# Allegro board fscvmotherboardv2.brd
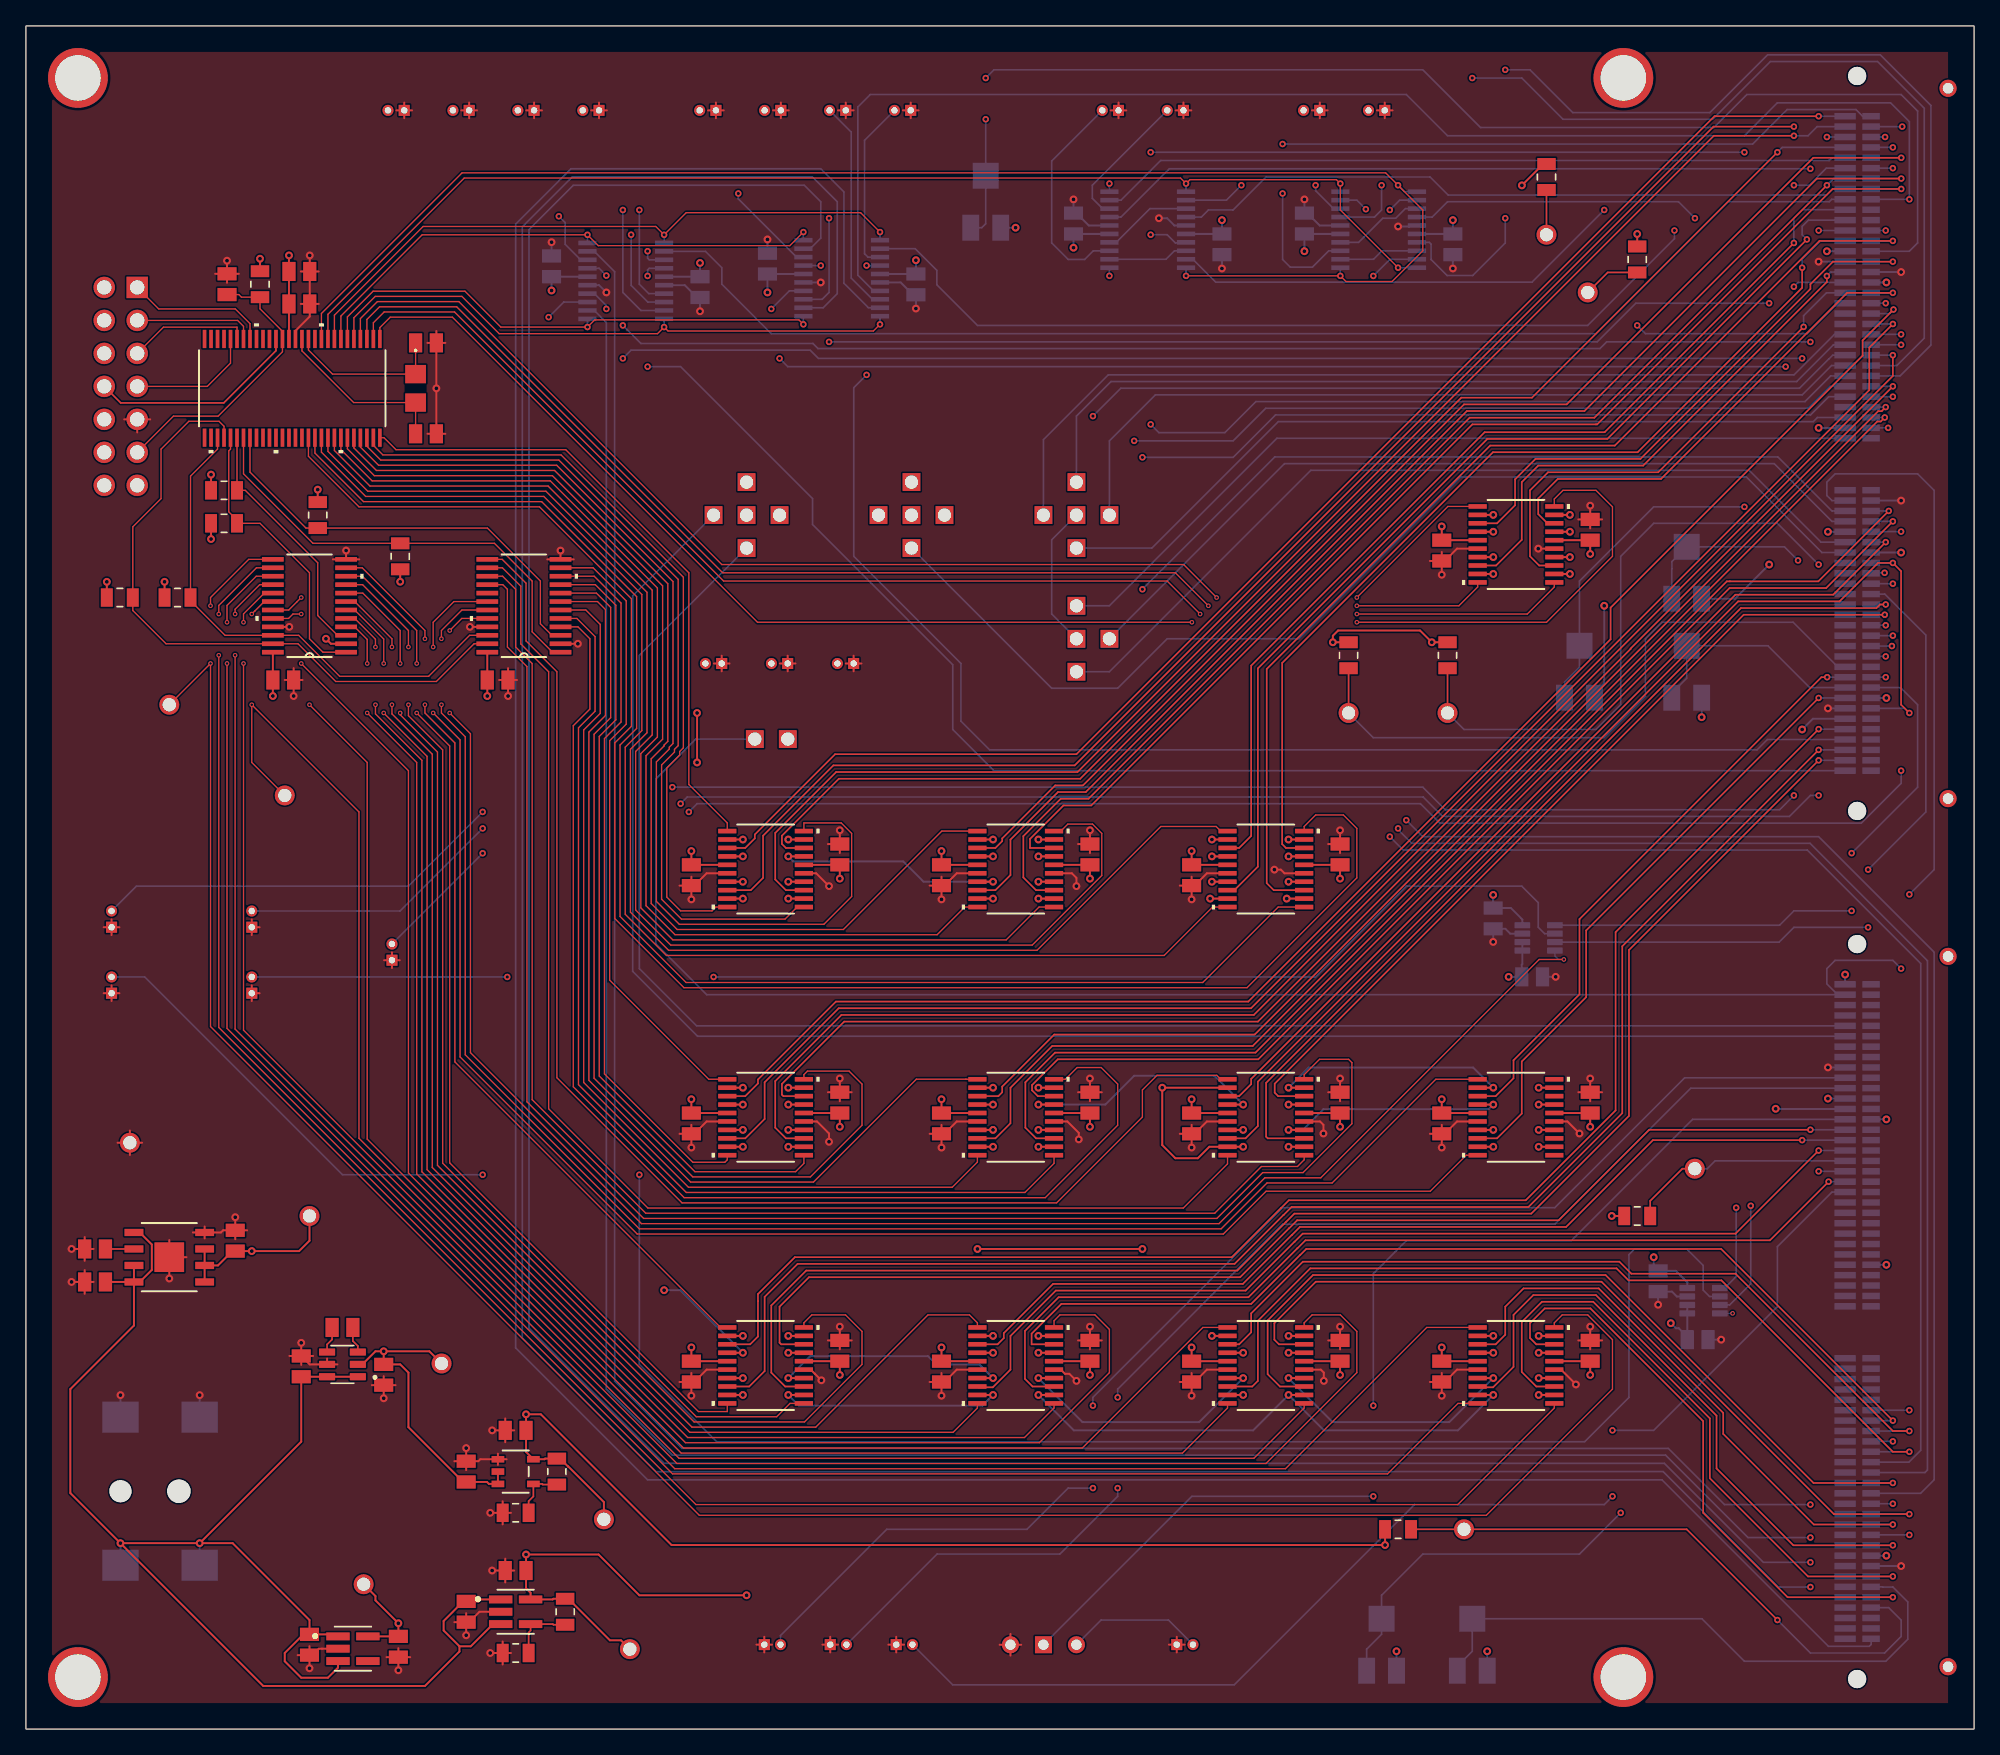
[diagram p0: board, top side]
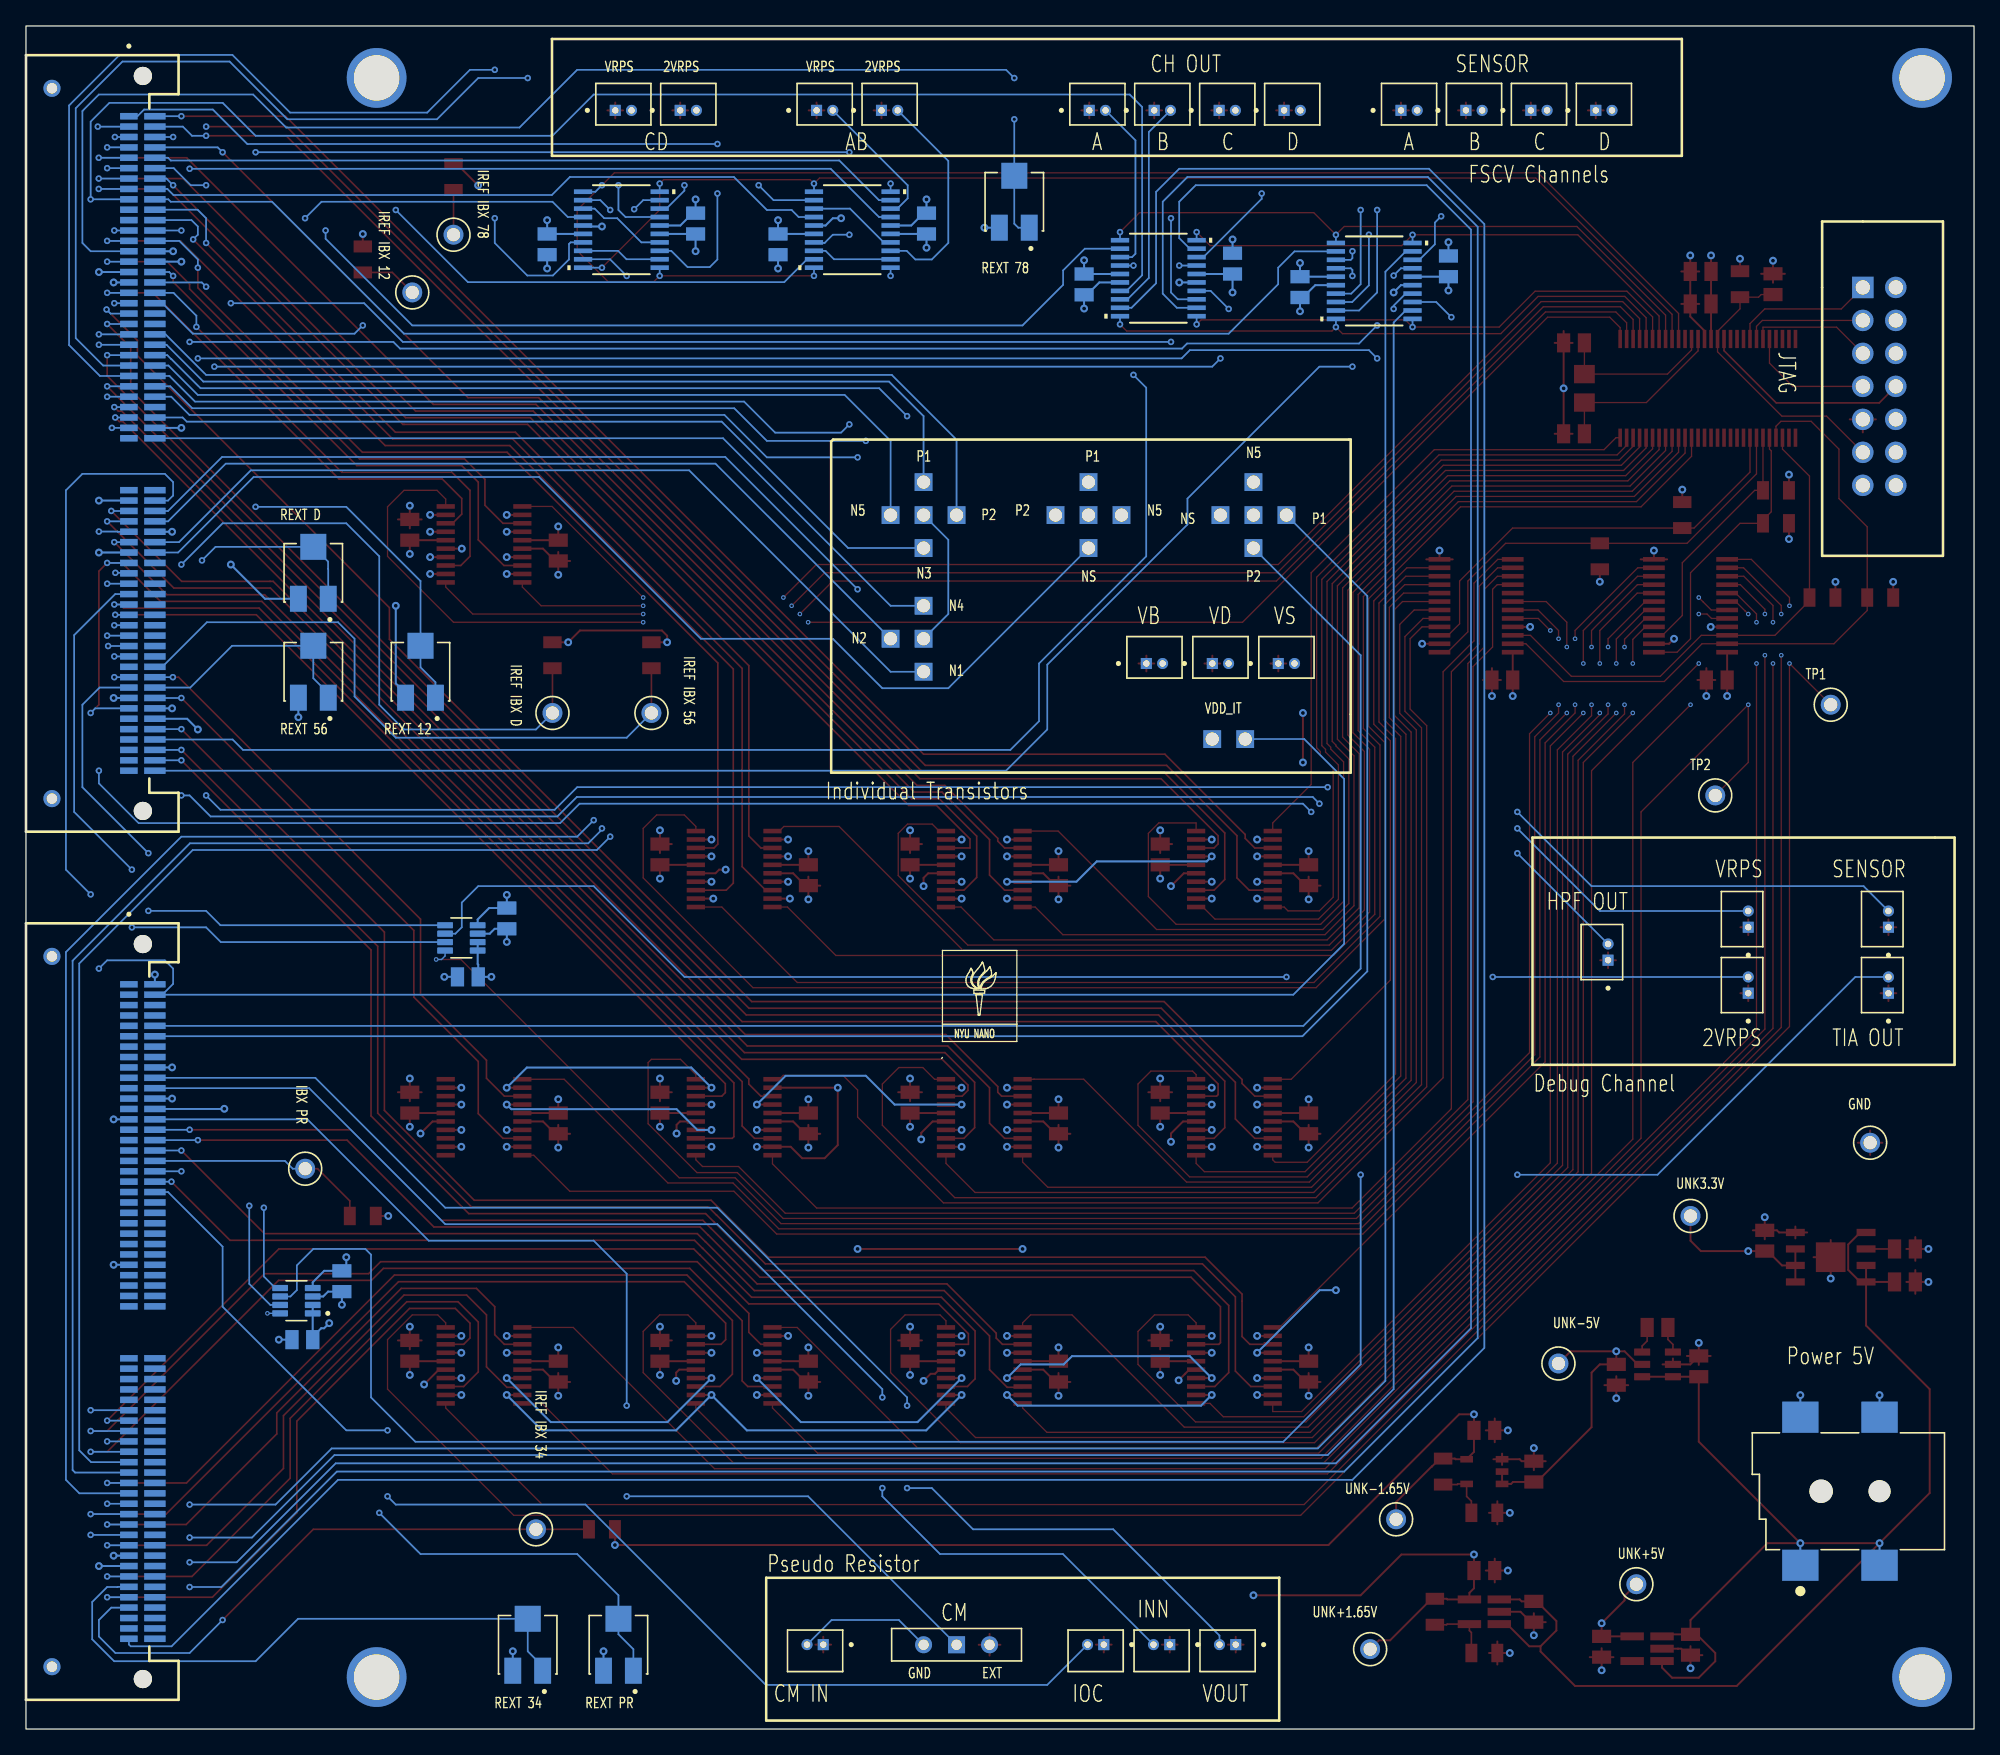
[diagram p1: board, bottom side, seen from below]

Outline 150 x 131.15 mm; copper layers: TOP, POWER, GND, BOTTOM. Coordinates in mm from the lower left corner of the outline.
Outline path: rectangle 0,0 150,131.15

## Design rules (mm)
constraint set DEFAULT: min track width 0.127
net group IB_SEL_HP_DNA: nets IB_SEL_HP_DNA<0> IB_SEL_HP_DNA<1>
net group IB_SEL_LP_DNA: nets IB_SEL_LP_DNA<0> IB_SEL_LP_DNA<1>
net group SELECT LINES: nets CH_AB_COND_SEL CH_CD_COND_SEL
net group TIASW_DNA: nets TIASW_DNA<0> TIASW_DNA<1>
net group DHP_DNA: nets DHP_DNA<0> DHP_DNA<1> DHP_DNA<2> DHP_DNA<3> DHP_DNA<4> DHP_DNA<5> DHP_DNA<6> DHP_DNA<7> DHP_DNA<8> DHP_DNA<9>
net group DLP_DNA: nets DLP_DNA<0> DLP_DNA<1> DLP_DNA<2> DLP_DNA<3> DLP_DNA<4> DLP_DNA<5> DLP_DNA<6> DLP_DNA<7> DLP_DNA<8> DLP_DNA<9>
net group FSCV: nets CH_OUTPUT_D TEST_EN_D TIA_EN_DNA
net group NOTUSED: nets DIFF_NFET_1_SHARED_VB DIFF_NFET_1_SHARED_VD DIFF_NFET_1_VSN DIFF_NFET_1_VSP DIFF_NFET_2_SHARED_VB DIFF_NFET_2_SHARED_VD DIFF_NFET_2_VSN DIFF_NFET_2_VSP DIFF_NFET_3_SHARED_VB DIFF_NFET_3_SHARED_VD DIFF_NFET_3_VSN DIFF_NFET_3_VSP DIFF_PFET_SHARED_VB DIFF_PFET_SHARED_VD DIFF_PFET_VSN DIFF_PFET_VSP HP1O_DNA HP2O_DNA IA_EN_DNA IBX_IN_DIFF_DNA IBX_OPA_DNA IBX_PR_HP_DNA IBX_PR_LP_DNA IREF_EN_DNA LPO_DNA NO_CONNEC_1 NO_CONNEC_2 NO_CONNEC_3 NO_CONNEC_4 NO_CONNEC_5 NO_CONNEC_6 NO_CONNEC_7 NO_CONNEC_8 NO_CONNEC_9 NO_CONNEC_10 NO_CONNEC_11 NO_CONNEC_12 NO_CONNEC_15 NO_CONNEC_16 NO_CONNEC_17 NO_CONNEC_18 NO_CONNEC_19 NO_CONNEC_20 NO_CONNEC_21 NO_CONNEC_22 NO_CONNEC_23 NO_CONNEC_24 NO_CONNEC_25 NO_CONNEC_26 NO_CONNEC_27 NO_CONNEC_28 NO_CONNEC_29 NO_CONNEC_30 NO_CONNEC_31 NO_CONNEC_32 NO_CONNEC_33 NO_CONNEC_34 NO_CONNEC_35 NO_CONNEC_36 NO_CONNEC_37 NO_CONNEC_38 REXT_IN_DIFF_DNA REXT_OPA_DNA SH_EN_DNA TIA_TST_DNA TSTEN_DNA VBGX_PR_HP_DNA VBGX_PR_LP_DNA VCM_HP1_DNA VCM_HP2_DNA VCM_LP_DNA VCM_TIA_DNA VDD_DNA_1 VDD_DNA_2 VSN_DNA VSP_DNA VSUB_TIA_DNA
net group POWER: nets 3.3V 5V_UNREGULATED +1.65V +5V -1.65V -5V

## Placement (name value [footprint] x y rotation side)
1.65V  5000  [SAMTEC_TLW-101-06-T-S]  58.66 76.23 270 bottom
C1  12p  [CAP0805]  30.8 106.75 0 top
C2  12p  [CAP0805]  30.8 99.75 0 top
C3  100n  [CAP0805]  21.05 112.25 180 top
C4  10u  [CAP0805]  21.05 109.75 180 top
C5  1n  [CAP0805]  15.48 111.27 270 top
C6  2.2u  [CAP0805]  5.32 34.43 180 top
C7  2.2u  [CAP0805]  5.32 36.97 180 top
C8  2.2u  [CAP0805]  16.11 37.61 90 top
C9  1u  [CAP0805]  21.83 6.49 270 top
C10  1u  [CAP0805]  28.67 6.34 270 top
C11  10u  [CAP0805]  27.55 27.28 270 top
C12  10u  [CAP0805]  21.19 27.93 90 top
C13  1u  [CAP0805]  24.37 30.93 180 top
C14  10u  [CAP0805]  33.89 9.03 270 top
C15  10u  [CAP0805]  37.7 12.21 180 top
C16  1u  [CAP0805]  37.7 23 180 top
C17  1u  [CAP0805]  33.89 19.83 90 top
C18  0.1u  [CAP0805]  120.44 29.13 90 top
C19  0.1u  [CAP0805]  109.02 27.53 270 top
C20  0.1u  [CAP0805]  120.44 48.24 90 top
C21  0.1u  [CAP0805]  109.02 46.64 270 top
C22  0.1u  [CAP0805]  101.19 29.13 90 top
C23  0.1u  [CAP0805]  89.75 27.53 270 top
C24  0.1u  [CAP0805]  101.19 67.35 90 top
C25  0.1u  [CAP0805]  89.75 65.75 270 top
C26  0.1u  [CAP0805]  81.92 67.35 90 top
C27  0.1u  [CAP0805]  70.5 65.75 270 top
C28  0.1u  [CAP0805]  81.92 48.24 90 top
C29  0.1u  [CAP0805]  70.5 46.64 270 top
C30  0.1u  [CAP0805]  62.66 48.24 90 top
C31  0.1u  [CAP0805]  51.23 46.64 270 top
C32  0.1u  [CAP0805]  62.66 67.35 90 top
C33  0.1u  [CAP0805]  51.23 65.75 270 top
C34  0.1u  [CAP0805]  62.66 29.13 90 top
C35  0.1u  [CAP0805]  51.23 27.53 270 top
C36  0.1u  [CAP0805]  120.44 92.35 90 top
C37  0.1u  [CAP0805]  109.02 90.75 270 top
C38  0.1u  [CAP0805]  40.47 112.64 90 bottom
C39  0.1u  [CAP0805]  51.9 111.04 270 bottom
C40  0.1u  [CAP0805]  57.09 112.85 90 bottom
C41  0.1u  [CAP0805]  68.53 111.25 270 bottom
C42  0.1u  [CAP0805]  101.19 48.24 90 top
C43  0.1u  [CAP0805]  89.75 46.64 270 top
C44  0.1u  [CAP0805]  92.09 114.34 270 bottom
C45  0.1u  [CAP0805]  80.66 115.94 90 bottom
C46  0.1u  [CAP0805]  109.87 114.34 270 bottom
C47  0.1u  [CAP0805]  98.44 115.94 90 bottom
C48  0.1u  [CAP0805]  81.92 29.13 90 top
C49  0.1u  [CAP0805]  70.5 27.53 270 top
C50  1u  [CAP0805]  36.32 80.79 180 top
C51  1u  [CAP0805]  19.81 80.79 180 top
C52  0.1u  [CAP0805]  115.97 57.93 0 bottom
C53  0.1u  [CAP0805]  112.97 62.43 90 bottom
C54  0.1u  [CAP0805]  128.72 29.99 0 bottom
C55  0.1u  [CAP0805]  125.67 34.49 90 bottom
GND  5000  [KEYSTONE_5000]  8 45.15 180 bottom
IBX PR  5000  [KEYSTONE_5000]  128.5 43.15 180 bottom
IREF IBX 12  5000  [KEYSTONE_5000]  120.25 110.63 270 bottom
IREF IBX 34  5000  [KEYSTONE_5000]  110.73 15.38 270 bottom
IREF IBX 56  5000  [KEYSTONE_5000]  101.84 78.25 270 bottom
IREF IBX 78  5000  [KEYSTONE_5000]  117.08 115.08 270 bottom
IREF IBX D  5000  [KEYSTONE_5000]  109.46 78.25 270 bottom
J1  FSCV HSEC8-160-01-L-RA x 2  [2XSAMTEC_HSEC8-160-01-X-RA-XX]  141 99 270 bottom
J2  JTAG  [SHDR14W64P254_2X7_2540X905X920P]  8.56 111.02 270 bottom
J3  PJ-002AH-SMT-TR  [CUI_PJ-002AH-SMT-TR]  10.38 18.61 0 bottom
J4  Connec2  [MOLEX_53047-0210]  43.5 124.65 180 bottom
J5  Connec2  [MOLEX_53047-0210]  67.5 124.65 180 bottom
J6  Connec2  [MOLEX_53047-0210]  88.5 124.65 180 bottom
J7  Connec2  [MOLEX_53047-0210]  17.39 62.37 90 bottom
J8  Connec2  [MOLEX_53047-0210]  38.5 124.65 180 bottom
J9  Connec2  [MOLEX_53047-0210]  62.5 124.65 180 bottom
J10  Connec2  [MOLEX_53047-0210]  104 124.65 180 bottom
J11  Connec2  [MOLEX_53047-0210]  17.39 57.29 90 bottom
J12  Connec2  [MOLEX_53047-0210]  33.5 124.65 180 bottom
J13  Connec2  [MOLEX_53047-0210]  57.5 124.65 180 bottom
J14  Connec2  [MOLEX_53047-0210]  83.5 124.65 180 bottom
J15  Connec2  [MOLEX_53047-0210]  6.59 62.37 90 bottom
J16  Connec2  [MOLEX_53047-0210]  28.5 124.65 180 bottom
J17  Connec2  [MOLEX_53047-0210]  52.5 124.65 180 bottom
J18  Connec2  [MOLEX_53047-0210]  99 124.65 180 bottom
J19  Connec2  [MOLEX_53047-0210]  6.59 57.29 90 bottom
J20  Connec2  [MOLEX_53047-0210]  28.18 59.83 90 bottom
J21  Connec2  [MOLEX_53047-0210]  57.47 6.5 0 bottom
J22  Connec2  [MOLEX_53047-0210]  89.23 6.5 0 bottom
J23  Connec2  [MOLEX_53047-0210]  62.55 6.5 0 bottom
J24  Connec2  [MOLEX_53047-0210]  67.63 6.5 0 bottom
J25  Connec2  [MOLEX_53047-0210]  52.95 82.06 180 bottom
J26  Connec2  [MOLEX_53047-0210]  63.1 82.06 180 bottom
J27  Connec2  [MOLEX_53047-0210]  58.02 82.06 180 bottom
NOREF  -  [unnamed]  123 127.15 0 top
NOREF#2  -  [#2]  0 0 90 top
NOREF#3  -  [unnamed]  4 4 0 top
NOREF#4  -  [unnamed]  123 4 0 top
NOREF#5  -  [unnamed]  4 127.15 0 top
NOREF#6  -  [#2]  -54 -82.35 0 top
NOREF#7  -  [#2]  0 131.15 0 top
NOREF#8  -  [#2]  79.5 51.65 180 bottom
R1  47k  [RES0805]  18.02 111.27 270 top
R2  10k  [RES0805]  28.81 90.31 270 top
R3  10k  [RES0805]  22.47 93.49 90 top
R4  10k  [RES0805]  7.22 87.14 180 top
R5  10k  [RES0805]  11.67 87.14 180 top
R6  10k  [RES0805]  15.25 92.85 180 top
R7  10k  [RES0805]  15.25 95.39 180 top
R10  105k  [RES0805]  41.52 9.03 90 top
R11  280k  [RES0805]  37.7 5.86 0 top
R12  100k  [RES0805]  40.88 19.83 90 top
R13  32k  [RES0805]  37.7 16.65 0 top
R14  100k  [RES0805]  124.06 39.51 180 top
R15  100k  [RES0805]  124.06 113.17 90 top
R16  100k  [RES0805]  105.65 15.38 180 top
R17  100k  [RES0805]  101.84 82.69 90 top
R18  100k  [RES0805]  117.08 119.52 90 top
R19  100k  [RES0805]  109.46 82.69 90 top
SNFET_1_VD  5000  [SAMTEC_TLW-101-06-T-S]  80.89 81.42 0 bottom
SNFET_2_VD  5000  [SAMTEC_TLW-101-06-T-S]  83.42 83.96 0 bottom
SNFET_3_VD  5000  [SAMTEC_TLW-101-06-T-S]  80.89 90.95 0 bottom
SNFET_4_VD  5000  [SAMTEC_TLW-101-06-T-S]  80.89 86.5 0 bottom
SNFET_5_VB  5000  [SAMTEC_TLW-101-06-T-S]  65.65 93.49 180 bottom
SNFET_5_VD  5000  [SAMTEC_TLW-101-06-T-S]  83.42 93.49 0 bottom
SNFET_5_VS  5000  [SAMTEC_TLW-101-06-T-S]  55.48 96.03 180 bottom
SNFET_SHARED_VB  5000  [SAMTEC_TLW-101-06-T-S]  68.19 90.95 180 bottom